# Altium PCB WX0.011.749PCB-4.2.PcbDoc (part 2 of 3)
Units mil, origin at the board's own origin, x right, y up, seen from the top; angles counter-clockwise.
Board outline 4498.23 x 1899.81 mil, 2 copper layers (Top Layer, Bottom Layer), stack 12.8 mil thick; 195 components, 148 nets, 684 pads, 621 vias.
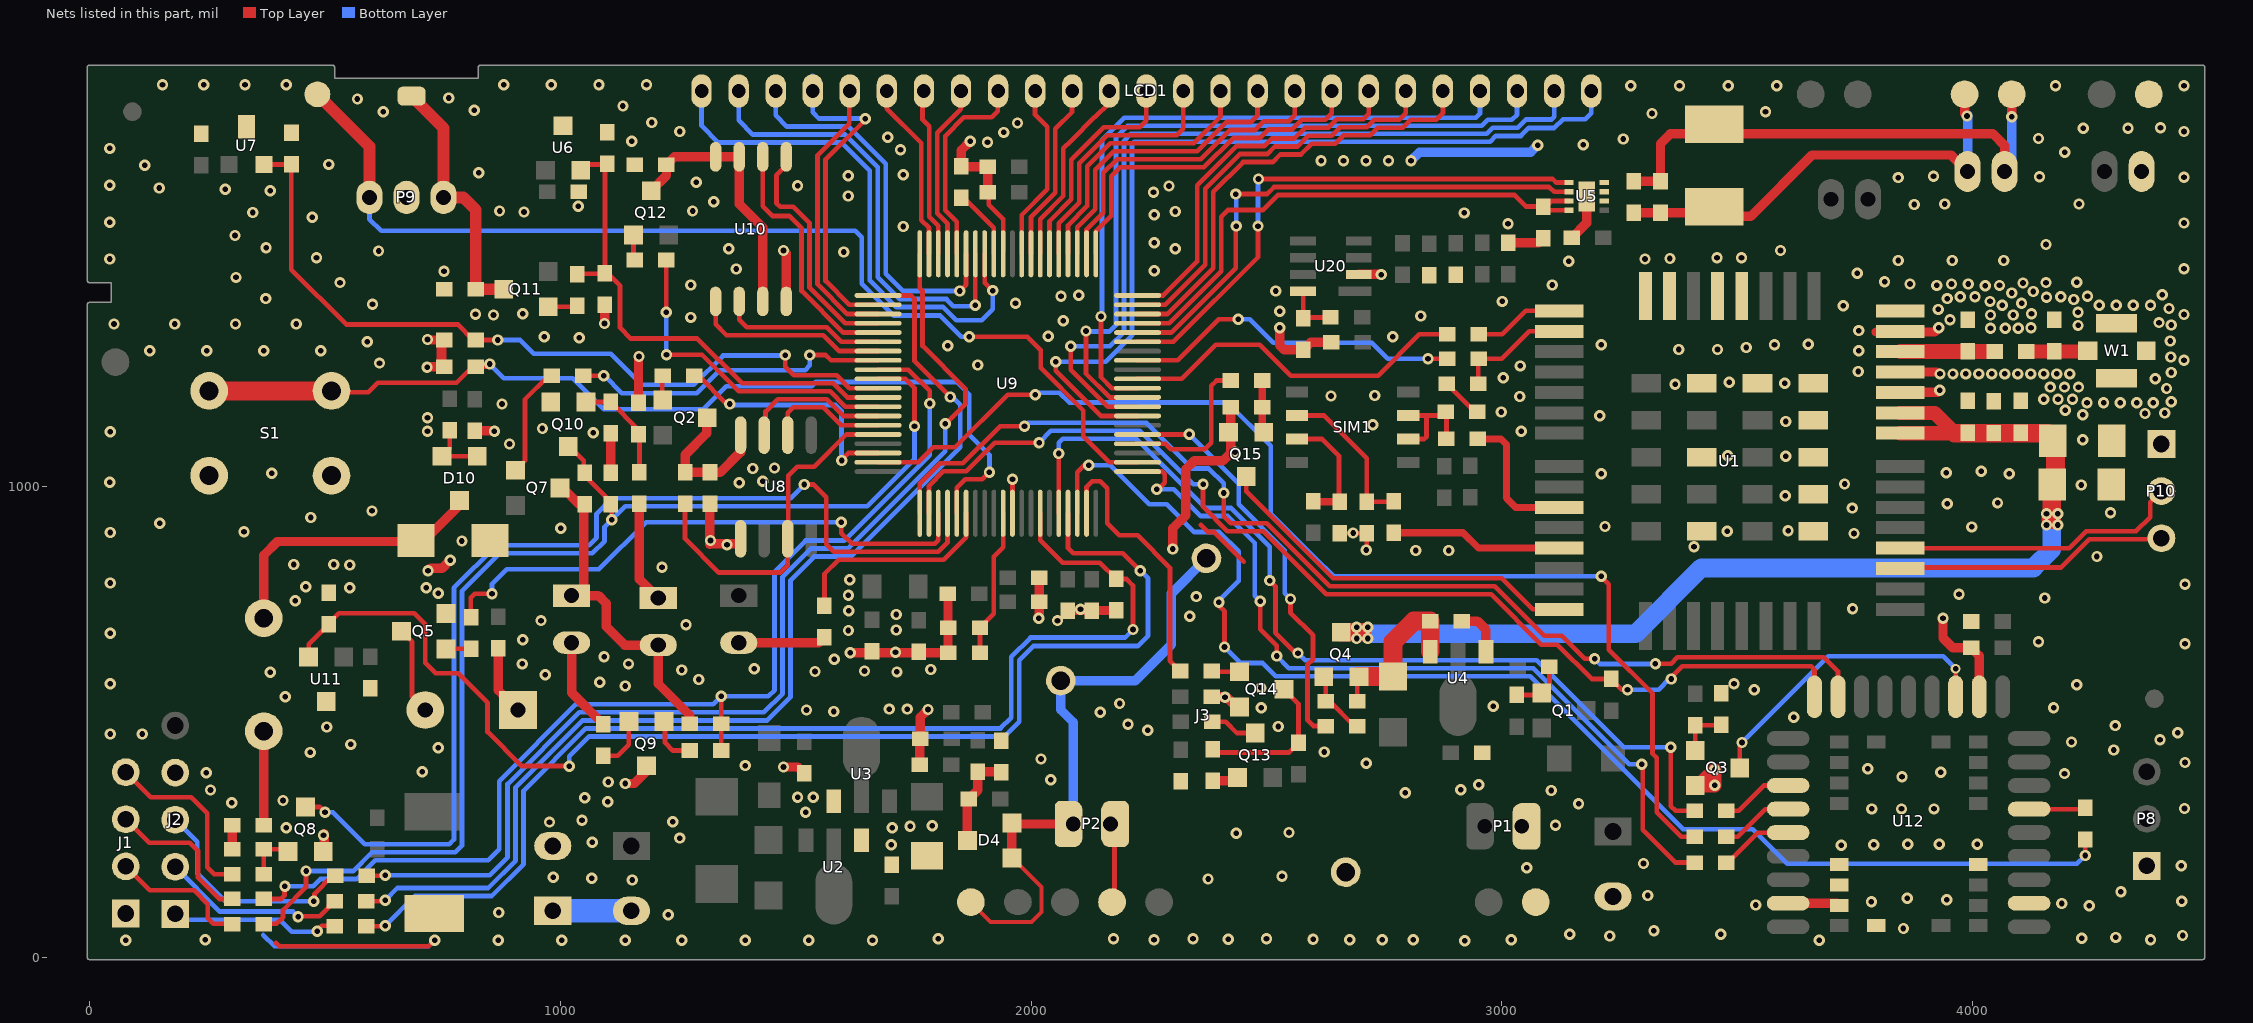
[diagram p2: the nets of this part, all layers, seen from the top]

## Via types
v1: diameter 24, hole 12, Top Layer to Bottom Layer, tented both sides, 618 vias
v2: diameter 21, hole 12, Top Layer to Bottom Layer, tented both sides, 3 vias

## Nets (pads, with @x,y where several pads share a name; then routed paths per layer and width w, separated by ;. In a path a pad name is that pad's centre, name@x,y a point inside that pad or via, vN(x,y) a via of type N, cw(c..) or ccw(c..) an arc to the next point about the centre after c; other vN are vias at no path point) (continued)
ADC_CTL: R14.1 U9.19 | length 586.1
  Top Layer w10: U9.19@2117.84,943 2117.84,999.32 2129.52,1011 2146.47,1011 2161.51,995.96 2161.51,922 2187.51,896 2226.3,896 2295,827.3 2295,630 R14.1@2317,608
B: C24.2 C25.2 P3.2 TP8.1 TVS1.1 U5.3 | length 1113.8
  Top Layer w20: C25.2@3280,1648.51 C24.2@3337,1648.51 3337,1728 3358,1749 4043,1749 4068,1724 P3.2@4068,1669 ; v1(4083,1785) 4083,1784 TP8.1@4083,1833
  Bottom Layer w20: P3.2@4068,1669 4083,1684 v1(4083,1785)
BUSY: R13.1 U9.21 | length 1765
  Top Layer w10: U9.21@2226.11,1031.58 2278.42,1031.58 2284,1026 2284,1008 2270,994 v1(2267,994) ; v1(2487,756) 2487,696.96 2522,661.96 v1(2522,639.77) ; v1@3299,410 3299,271 3369,201 R13.1@3410,201
  Bottom Layer w10: v1(2267,994) 2303.34,994 2360.34,937 2417.83,937 2475,879.83 2475,768 v1(2487,756) ; v1(2522,639.77) 2547.77,614 3067,614 3271,410 v1(3297,410)
BUZZ: R47.1 U9.3 | length 1206.7
  Top Layer w10: R47.1@810,722 810,764 818,772 v1(855,772) ; v1(1597,924) 1597,901 1620,878 1795.51,878 1802.88,885.37 U9.3@1802.88,943
  Bottom Layer w10: v1(855,772) 855,793 886,824 1082.12,824 1182.12,924 v1(1597,924)
CAP_CHK: C49.1 U9.17 U11.2 | length 2653.4
  Top Layer w10: U11.2@465.35,637.8 465.35,664.86 C49.1@508,707.51 508,709 529.4,730.4 689.6,730.4 713,707 713,625 735,603 783,603 845.5,540.5 845.5,478.5 918,406 v1@1019,406 ; U9.17@2078.47,943 2078.47,869 2089.47,858 2195,858 v1(2232,821)
  Bottom Layer w10: v1(1019,405.5) 1019,426.71 1061.29,469 1943.77,469 1975,500.23 1975,631.04 2004.96,661 2226.75,661 2248.5,682.75 2248.5,804.5 v1(2232,821)
CLOSE: U5.5 U9.35 | length 1157.9
  Top Layer w10: U9.35@2226.11,1307.17 2302.38,1307.17 2482,1486.79 v1(2482,1553) ; v1@2479,1556 v1@2482,1559 ; v1(2483,1653) 3108,1653 3115.47,1645.53 U5.5@3142.6,1645.53
  Bottom Layer w10: v1@2482,1559 2482,1652 v1(2483,1653)
COM0: LCD1.1 U9.53 | length 1132.9
  Top Layer w10: U9.53@1901.3,1494.18 1901.3,1432.2 v1@1916.51,1417
  Bottom Layer w10: LCD1.1@1300,1840 1300,1766 1335.49,1730.51 1598,1730.51 1657.51,1671 1657.51,1437.57 1714.08,1381 1813.07,1381 1841.07,1353 1894.76,1353 1918.51,1376.74 v1(1918.51,1416)
COM1: LCD1.2 U9.54 | length 975.4
  Top Layer w10: v1(1881.51,1385) 1881.62,1385.11 U9.54@1881.62,1494.18
  Bottom Layer w10: LCD1.2@1378.74,1840 1378.74,1778 1409.23,1747.51 1605.45,1747.51 1674.51,1678.45 1674.51,1444.62 1721.12,1398 1820.11,1398 1835.11,1383 1879.51,1383 v1(1881.51,1385)
COM2: LCD1.3 U9.55 | length 818.9
  Top Layer w10: v1(1848.36,1415) 1861.93,1428.57 U9.55@1861.93,1494.18
  Bottom Layer w10: LCD1.3@1457.48,1840 1457.48,1788.53 1481.5,1764.51 1612.49,1764.51 1691.51,1685.49 1691.51,1451.66 1728.17,1415 v1(1848.36,1415)
COM3: LCD1.4 U9.62 | length 708.9
  Top Layer w10: v1(1648,1781) 1646.86,1781 1648.43,1779.43 1563.51,1694.51 1563.51,1436.46 1614.05,1385.91 U9.62@1674.93,1385.91
  Bottom Layer w10: LCD1.4@1535.73,1840 LCD1.4@1535.73,1872 ; LCD1.4@1536.22,1840 1536.22,1794.78 1549.49,1781.51 1648,1781.51 v1(1648,1781)
DOUT: R12.1 U9.79 | length 2495.3
  Top Layer w10: U9.79@1674.93,1051.27 1760.78,1051.27 1792.51,1083 1838.38,1083 1950.38,1195 v1(2009,1195) ; v1@3210.5,808.5 3227,792 3227,653.25 3320,560.25 3320,432.25 3329,423.25 3329,308 3381,256 R12.1@3410,256
  Bottom Layer w10: v1(2009,1195) 2013,1199 2060.25,1199 2081,1178.26 2416.74,1178.26 2509,1086 2509,942 2623,828 2623.7,828 2642.7,809 v1(3211,809)
ESAM_CLK: U8.6 U9.75 | length 267.6
  Top Layer w10: U8.6@1483,1109 1483,1156 1495,1168 1558.83,1168 1596.83,1130.01 U9.75@1674.93,1130.01 ; U8.6@1486,1101 U8.6@1486,1109
ESAM_POW: R44.1 U9.78 | length 536.6
  Top Layer w10: R44.1@1285,1235 1294,1235 1354,1175 v1(1360,1175) ; v1(1597.51,1055) 1595.51,1055 1611.46,1070.95 U9.78@1674.93,1070.95
  Bottom Layer w10: v1(1360,1175) 1362,1173 1584.51,1173 1597.51,1160 v1(1597.51,1055)
ESAM_RST: U8.7 U9.74 | length 322.3
  Top Layer w10: U8.7@1436,1101 1436,1159 1462,1185 1565.87,1185 1601.18,1149.69 U9.74@1674.93,1149.69
ESAM_SDA: R45.2 U8.3 U9.76 | length 746
  Top Layer w10: R45.2@1265,963 1265,889 1337,817 1467,817 1483,833 U8.3@1483,889 1484,890 1484,1023 1503,1042 1539,1042 1607.32,1110.32 U9.76@1674.93,1110.32
FLASH_CLK: U9.65 U10.6 | length 539.1
  Top Layer w10: U10.6@1430,1700.09 1430,1595 1450.52,1574.48 1486.48,1574.48 1512.51,1548.45 1512.51,1415.33 1600.98,1326.86 U9.65@1674.93,1326.86
FLASH_CS: U9.67 U10.1 | length 417.3
  Top Layer w10: U10.1@1330,1393 1330,1344 1353,1321 1558.76,1321 1592.27,1287.49 U9.67@1674.93,1287.49
FLASH_CTL: R49.1 U9.73 | length 702.9
  Top Layer w10: v1@1222,1281 1223,1280 1300.96,1280 1378.96,1202 1572.92,1202 1605.54,1169.38 U9.73@1674.93,1169.38 ; v1(1225,1370) R49.1@1225,1481 R49.1@1225,1483
  Bottom Layer w10: v1(1225,1370) 1225,1280 v1(1225.5,1279.5)
FLASH_MISO: U9.66 U10.2 | length 353.3
  Top Layer w10: U10.2@1380,1393 1380,1354 1396,1338 1565.8,1338 1596.63,1307.17 U9.66@1674.93,1307.17
FLASH_MOSI: U9.64 U10.5 | length 508.8
  Top Layer w10: U10.5@1480,1700.09 1480,1682 1459,1661 1459,1602 1467,1594 1495,1594 1529.51,1559.49 1529.51,1422.37 1605.34,1346.54 U9.64@1674.93,1346.54
GD_PWR: C45.1 P9.3 Q11.3 TP19.1 | length 549.6
  Top Layer w25: TP19.1@684,1829 752,1761 P9.3@752,1614 794,1614 820.49,1587.51 C45.1@820.49,1419 Q11.3@879,1419
GND: C1.1 C2.1 C3.2 C5.2 C7.2 C8.2 C9.2 C10.2 C13.2 C14.2 C15.2 C16.2 C17.2 C18.1 C19.2 C20.2 C21.2 C22.1 C23.1 C26.2 C27.2 C28.2 C29.2 C30.2 C31.2 C32.2 C33.1 C34.2 C35.2 C36.2 C37.2 C38.2 C39.2 C41.1 C42.2 C43.1 C44.2 C45.2 C46.2 C47.2 C48.2 C49.2 C50.2 C51.1 C52.2 C53.1 C54.1 C55.2 C56.2 C59.2 C60.2 C61.1 C62.1 C63.1 C64.1 C65.2 C66.2 FB2.1 J1.1 J2.4 J3.2 P1.2 P2.2 P7.2 P8.1 P9.2 P10.1 Q3.2 Q5.2 Q8.2 Q9.3 Q10.2 Q14.2 Q15.2 R38.1 R41.1 R48.2 R56.2 R58.1 R61.2 R96.1 S1.2 S2.2 TP5.1 TP6.1 TP12.1 TVS2.1 U1.26 U1.27 U1.29 U1.30 U1.42 U1.43 U1.45 U1.46 U1.48 U1.49 U1.50 U1.54 U1.56 U1.58 U1.62 U1.64 U1.66 U2.1 U3.1 U4.1 U5.4 U5.9 U6.3 U7.3 U8.1 U9.11 U9.51 U10.4 U11.3 U12.2@4119.84,114.57 U12.11@4013.94,553.15 U12.26@3608.03,114.57 U12.29 U12.30 U12.31 U12.33 U12.38 U20.2 W1.2 | length 5195.1
  Top Layer w10: 396,30 396.55,30 403.55,23 720,23 v1(733,36) ; C5.2@1763.49,463 C5.2@1764.49,464 ; C60.2@1910,1672 1910,1598.67 1940.67,1568 U9.51@1940.67,1500.18 ; U9.11@1960.36,943 1960.51,943.15 v1(1960.51,1015) ; TP6.1@2177,122 P2.2@2177,283 ; 2361,918 2376,903 2388.7,903 2452,839.7 ; C19.2@2656,900.49 C20.2@2713,900.49 v1@2713,867 ; R61.2@2883,1218 2942,1159 C21.2@2947.51,1159 C21.2@2949.51,1159
  Top Layer w20: R38.1@303,226.25 R38.1@303,229.25 FB2.1@303,280 ; Q8.2@498.4,224.76 v1@498.4,262.4 ; v1@717,1254 746.49,1254 746.49,1311 v1@718,1311 ; v1(719,821) 724.5,826.5 749.5,826.5 v1(766,843) ; C31.2@748.49,1254 C56.2@748.49,1311 ; C8.2@818,1118.49 v1@858.51,1118.49 ; v1(1094,1346) C50.2@1094,1385.49 ; C32.2@1107,1109.49 1107,1034.51 C26.2@1110,1031.51 ; v1(1138,369) 1157,369 1183,395 Q9.3@1183,406.51 ; R41.1@1166,1178 v1@1166,1278 ; R41.1@1168,1175 R41.1@1168,1178 ; C34.2@1318,963.49 1317,962.49 1317,877 v1@1318,878 ; v1(1319,885) 1319,879 v1@1318,878 ; U8.1@1384,881 1381,878 v1@1318,878 ; v1(1474,404) 1504.51,404 1518.51,390 C3.2@1519,390.49 ; v1(1474,1501) 1480,1495 U10.4@1480,1393 ; v1(1616,647) C53.1@1824.51,647 C53.1@1826,647 ; C55.2@1763.49,409 C5.2@1763.49,463 ; C5.2@1764.49,464 1764.49,509.49 v1(1781,526) ; C53.1@1823.49,649 C10.2@1823.49,771 ; v1(1870.51,1733) 1851.51,1714 C65.2@1851.51,1680.51 1853.02,1679 C60.2@1908,1679 C59.2@1908,1625 ; v1@2017.49,721 C62.1@2017.49,755 C63.1@2017.49,806 C63.1@2017.49,807 ; C39.2@2077.84,736.51 C43.1@2180.51,736.51 ; v1(2301,867) 2301,911 2328.39,938.39 2328.39,1036.39 2346.24,1054.24 2407.24,1054.24 2424,1071 R58.1@2424,1168 ; C51.1@2382,553 C51.1@2383.49,553 2414.86,553 Q14.2@2435.26,532.6 ; v1(2528,1337) 2528,1300 2538,1290 R96.1@2578,1290 2594,1306 C64.1@2637.51,1306 ; U20.2@2695.97,1450.28 v1@2741.72,1450.28 ; C52.2@2915,714 2948,714 2966.05,695.95 U4.1@2966.05,649.17 ; C33.1@3014,1517.49 3077.98,1517.49 C22.1@3088,1527.51 ; C23.1@3148.51,1528 3180,1559.49 U5.9@3180,1616 ; U12.26@3608.03,114.57 3711.97,114.57 U12.31@3716.3,110.24 ; 3795,1328 3919,1328 v1(3928,1337) ; U1.26@3846.2,1199.67 3925.67,1199.67 v1(3930,1204) ; U1.27@3846.2,1242.98 v1@3924.02,1242.98 ; v1(3937,720) 3937,678 3958,657 C15.2@3997,657 4013.94,640.06 U12.11@4013.94,553.15
  Top Layer w30: Q3.2@3410.76,364.6 v1@3451.6,364.6 ; Q3.2@3428.67,374.67 v1(3452,398) v1(3452,365)
  Bottom Layer w10: 369,47 393,23 720,23 v1(733,36)
  Bottom Layer w20: v1(2807,1692) 2825,1710 3061,1710 v1(3076,1725)
  other v1: 2921,35 77,36 868,36 1003,36 1138,36 1258,36 1393,36 1528,36 1663,36 3674,36 246,37 2261,37 2677,37 2746,37 2812,37 3020,37 4378,37 2419,38 2599,38 1803,39 2175,39 2344,39 2500,39 4232,40 4304,42 3229,45 4446,46 3144,49 3465,49 3323,56 3853,61 1229,90 869,95 4248,109 3539,111 4189,114 3785,118 4444,119 3945,122 3861,125 3310,131 4315,139 1153,164 2376,166 1067,168 985,170 2533,172 3053,190 4443,194 3301,199 3721,238 1703,239 3790,239 3862,240 3929,240 4010,240 1068,244 1254,253 497,259 2436,263 2548,265 418,275 1705,275 1743,278 1790,279 3114,280 977,287 1239,288 1046,291 1521,308 3786,315 3849,315 3918,315 4450,316 3163,326 302,328 1101,330 411,333 1052,339 1504,340 1537,340 2795,349 3105,354 257,355 2913,356 2951,366 1102,372 2042,377 3850,383 4195,390 248,392 3932,393 707,394 3777,400 1393,407 2712,412 4451,413.5 2021,421 469,435 2623,436 4300,440 741,445 555,452 4210,457 4398,462 44,474 112,474 4436,477 2248,482 504,489 2525,490 4303,492 2206,495 3620,510 2147,520 1581,522 1523,525 1699,527 1737,527 2489,530 4172,530 2982,533 2188,539 2412,552 416,553 3536,568 2488,572 1138,576 4221,579 44,581 3493,581 1084,584 1294,590 968,600 384,605 1715,606 1541,607 1646,608 1258,610 1787,611 1412,613 919,623 1145,623 1582,633 1093,638 1712,648 4451,666 4140,670 920,674 44,688 1612,694 1713.51,695 1267,706 959,715 2056,715 2016,720 2337,724 1713.51,728 1613,736 2105,739 3745,740 437,757 4153,763 2351,766 1612,769 3971,771 741,773 553,785 715,785 459,787 4451,792.25 44,795 1615,802 1216,828 553,833 434,834 519,834 4264,851 2817,864 2887,864 2712,865 3408,872 1354,876 791,884 3748,900 2684,901 44,902 328,904 3479,905 3608,906 1001,911 3998,914 3219,915 149,922 470,934 4293,944 600,948 3744,954 3946,963 4053,965 3602,980 4231,1003 3728,1005 1380,1008 43,1009 1430,1011 3211,1027 4078,1027 387,1028 3944,1029 4018,1032 1409,1038 1455,1039 3603,1064 3480,1065 2433,1073 892,1090 4234,1099 1070,1114 44,1116 718,1117 860,1117 3041,1117 962,1123 2726,1131 3603,1138 718,1146 3208,1150 4234,1152 4366,1155 4408,1156 2999,1158 4197,1162 876,1175 4243,1178 4278.17,1178 4313.33,1178 4348.5,1178 4383.67,1178 4422,1180 4151,1185 4181.5,1185 4212,1185 3038,1191 2637,1192 2730,1193 4412,1208 4165,1211 4195,1211 4225,1211 3368,1217 3601,1219 3483,1221 4388,1229 3003,1231 3930.57,1239 3958.11,1239 3985.65,1239 4013.2,1239 4040.74,1239 4068.28,1239 4095.83,1239 4123.37,1239 4150.91,1239 4178.46,1239 4206,1239 4422,1242 3757,1244 717,1253 3039,1256 1887,1258 616,1262 4449,1268.14 4421,1275 1167,1276 128,1288 249,1288 370,1288 491,1288 3758,1288 3376,1291 3458,1291 3519,1295 1823,1299 3211,1301 3579,1301 3651,1302 590,1307 4420,1309 718,1312 1040,1316 966,1318 2768,1318 2036.51,1319 3758,1331 4038,1336 4069,1336 4097,1336 4124,1337 4224,1342 4422,1343 52,1345 181,1345 310,1345 439,1345 4396,1348 2068.51,1352 3952,1354 1277,1359 2828,1362 858,1364 4038,1364 4086,1364 820,1366 4449,1365.29 920,1367 4125,1367 4223.81,1370 2528,1372 3927,1376 4417,1378 3725,1384 4063,1385 4269,1385 4305.25,1385 4341.5,1385 4377.75,1385 601,1387 1967,1389 4104,1389 3001,1393 4037,1393 4215,1397 374,1399 3946,1399 4157,1402 3974,1403 4005,1403 4187,1403 2063.51,1404 4244,1404 2101.51,1406 4403,1407 4083,1411 4129,1414 2520,1415 4027,1426 3924,1427 4057,1427 1277,1428 3107,1428 3867,1430 3955,1430 3991,1430 4107,1432 532,1433 4156,1433 4221,1434 3813,1435 311,1444 2744,1450 3755,1453 753,1457 2261.51,1458 1374,1462 4449,1462.43 3142,1478 3842,1480 3957,1480 4066,1480 43,1483 3304,1483 3357,1484 482,1486 3457,1486 3509,1486 1602,1498 614,1500 3592,1501 1358,1505 2306,1505 375,1507 4156,1514 2261.51,1517.67 309,1533 1728.51,1552 3013,1558 4449,1559.57 43,1561.33 473,1572 2261.51,1577.33 2920,1581 347,1582 923,1583 2306,1584 871,1585 1281,1585 1038,1595 3876,1599 3941,1600 4226,1600 1326,1605 1611.51,1617 2260,1625 384,1628 288,1631 148,1634 2293,1638 1504,1639 43,1639.67 1289,1646 3842,1656 4449,1656.71 4142,1658 3917,1659 1611.51,1660 1728.51,1662 827,1666 117,1682 508,1684 2616,1692 2663.75,1692 2711.5,1692 2759.25,1692 4196,1710 1722.51,1715 43,1718 3173,1726 1907.51,1731 1152,1733 3258,1738 4140,1739 1695.51,1742 1942,1752 1254,1754 4449,1753.86 4235,1761 4330,1761 4399,1762 1971,1772 1194,1773 3319,1792 624,1796 3560,1796 817,1799 1133,1808 569,1823 763,1825 3274,1851 3377.33,1851 3480.67,1851 3584,1851 4176,1851 4449,1851 155,1853 242.67,1853 330.33,1853 418,1853 880,1853 981,1853 1082,1853 1183,1853
GPRS_3.6V: C9.1 C16.1 C17.1 C18.2 C37.1 Q4.3 U1.24 U1.25 | length 2273.2
  Top Layer w30: U1.24@3846.2,1113.05 3961.94,1113.05 3918.64,1156.36 U1.25@3846.2,1156.36 ; 4166.3,930.7 4169,928 ; 4169.3,924.7 4169.3,930.7
  Top Layer w40: Q4.3@2659,690.24 2701.76,690.24 ; 3961.94,1113.05 4160.25,1113.05 4176.3,1097 4176.3,1005 4168,996.7 4168,932.39 4166.3,930.7
  Bottom Layer w40: v1@2715.43,687 3284,687 3424,827 4129,827 4168,866 v1@4168,919
  other v1: 2691.43,677 2715.43,677 2691.43,701 2715.43,701 4157,918 4181,918 4157,942 4181,942
GPRS_POWER: R18.1 U9.25 | length 879.7
  Top Layer w10: U9.25@2226.11,1110.32 2335.32,1110.32 v1(2336,1111) ; v1(2551,761) 2551,732 2599,684 2599,632.75 2587,620.75 2587,504 2600,491 R18.1@2626,491
  Bottom Layer w10: v1(2336,1111) 2441,1006 2441,961.92 2539,863.92 2539,773 v1(2551,761) v1@2554,764
GPRS_RST: R57.1 U9.24 | length 334.1
  Top Layer w10: U9.24@2226.11,1090.64 2285.36,1090.64 2297,1079 2369,1079 2383,1093 2383,1214 2394,1225 R57.1@2424,1225
HALL1_INTP6: C29.1 C56.1 U7.2 U9.71 | length 1698.5
  Top Layer w10: U7.2@371,1684 428.49,1684 428.49,1460.51 545,1344 782.49,1344 815.49,1311 C56.1@820.49,1311 v1(867,1311) ; v1(1478,1279) 1478,1254 1496,1236 1587,1236 1614.25,1208.75 U9.71@1674.93,1208.75
  Bottom Layer w10: v1(867,1311) 915,1311 944,1282 1107,1282 1173,1216 1283.62,1216 1345.62,1278 1477,1278 v1(1478,1279)
HALL2_INTP7: C30.1 C50.1 R3.1 U6.2 U9.72 | length 1095.6
  Top Layer w10: R3.1@1036,1449 1038.49,1451.49 C50.1@1095,1451.49 ; U6.2@1044,1684 C30.1@1101.49,1684 ; C50.1@1094,1452.49 C50.1@1095,1451.49 ; C30.1@1102,1684.51 C30.1@1101.49,1684 ; U9.72@1674.93,1189.06 1609.9,1189.06 1579.96,1219 1386,1219 1291,1314 1150,1314 1127,1337 1127,1426 1101.51,1451.49 C50.1@1095,1451.49 ; C50.1@1095,1451.49 1095,1677.51 C30.1@1101.49,1684
IN1: D10.3 P5.1 TVS2.2 | length 604.9
  Top Layer w20: P5.1@370,720 370,854 399,883 709,883 789,963 D10.3@789,969.76
IN2: FB2.2 P5.2 | length 200
  Top Layer w10: FB2.2@370,280 FB2.2@370,286
  Top Layer w20: FB2.2@370,286 P5.2@370,480
IRDA_CTL: R27.1 U9.68 | length 694.6
  Top Layer w10: R27.1@1049,1235 v1(1092,1235) v1@1094,1235 ; v1(1530,1279) 1563.8,1279 1575,1267.8 U9.68@1674.93,1267.8
  Bottom Layer w10: v1(1092,1235) 1094,1235 1131,1198 1290.04,1198 1294,1201.96 1294,1202.34 1338.66,1247 1520,1247 1530,1257 v1(1530,1279)
IRDA_POW: D5.1 D6.2 Q7.3 R29.1 R34.2 | length 707.2
  Top Layer w20: Q7.3@999.24,997 1005,997 1040,962 1050,962 D5.1@1050,773 ; D5.1@1024,768 1081,768 1097.5,751.5 1097.5,702.5 1137,663 D6.2@1208,663 1208,581 1275,514 R34.2@1275,496 ; D6.2@1209,663 D6.2@1211,663
IRDA_RXD1: C26.1 Q10.3 R29.2 R37.2 U9.70 | length 2579.8
  Top Layer w10: R37.2@370,71 397,71 411,85 411,100.25 460,149.25 v1(460,183) ; Q10.3@1017,1084.76 1020.24,1084.76 1050,1055 R29.2@1050,1029 ; R29.2@1052,1022.51 1110,964.51 1109,963.51 v1(1109,929) ; U9.70@1674.93,1228.43 1733.03,1228.43 1752.51,1208.96 v1(1752.51,1128)
  Bottom Layer w10: v1(460,183) 560,183 600,223 777,223 791,237 791,777.3 871.7,858 1068.04,858 1094,883.96 1094,914 v1(1109,929) 1138,958 1652.21,958 1752.51,1058.3 v1(1752.51,1128)
IRDA_TXD1: R34.1 R36.2 R40.1 U9.69 | length 2428.1
  Top Layer w10: R36.2@370,123.75 406.75,123.75 414,131 v1@414,151 ; R40.1@1342,439 R34.1@1342,496 v1(1342,554) ; U9.69@1674.93,1248.12 1739.39,1248.12 1784.51,1203 v1(1784.51,1176)
  Bottom Layer w10: v1(415,151) 475,151 490,166 567.04,166 607.04,206 847,206 870,229 870,373.88 1033.12,537 1325,537 v1(1342,554) 1442,554 1455,567 1455,819 1521,885 1603.25,885 1784.51,1066.25 v1(1784.51,1176)
KEY_INTP0: C31.1 S1.1 U9.5 | length 2029.2
  Top Layer w10: S1.1@514,1203 521,1203 524,1200 592,1200 612,1220 779.49,1220 813.49,1254 C31.1@820.49,1254 v1@846,1254 ; U9.5@1842.25,943 1842.25,997 1860.25,1015 1896.51,1015 v1(1911.51,1030)
  Top Layer w40: S1.1@254,1203 S1.1@514,1203
  Bottom Layer w10: v1(850,1260) 880,1230 1025.96,1230 1091.96,1164 1304.12,1164 1328,1187.87 1328,1188.25 1352.74,1213 1534.08,1213 1543.08,1222 1841.76,1222 1868.51,1195.25 1868.51,1109.96 1911.51,1066.96 v1(1911.51,1030)
LED: R7.1 U9.6 | length 451.3
  Top Layer w10: R7.1@1561,747 1561,814 1591,844 1814,844 1861.93,891.93 U9.6@1861.93,943
MCU_RXD0: R59.1 U9.31 | length 742.8
  Top Layer w10: U9.31@2226.11,1228.43 2319.81,1228.43 2392.37,1301 2486,1301 2552,1235 2737,1235 2825,1323 2868,1323 R59.1@2873,1328
MCU_TXD0: R60.1 U9.33 | length 727.8
  Top Layer w10: U9.33@2226.11,1267.8 2311.09,1267.8 2398.29,1355 v1(2440,1355) ; v1@2844,1271 R60.1@2884,1271
  Bottom Layer w10: v1(2440,1355) 2464.74,1355 2514.74,1305 2724,1305 2758,1271 v1(2843,1271)
NetB1_1: B1.1 R42.1 | length 147.4
  Top Layer w20: R42.1@868,655 868,567 B1.1@910,525
NetB1_2: B1.2 Q5.3 | length 188.3
  Top Layer w10: Q5.3@662.76,692.4 685,670.16 685,553.15 B1.2@713.15,525
NetC1_2: C1.2 R2.2 U1.28 | length 200.4
  Top Layer w32: U1.28@3846.61,1286.69 R2.2@4047.02,1286.69
NetC2_2: C2.2 R2.1 W1.1 | length 129.2
  Top Layer w30: R2.1@4114.02,1286.69 W1.1@4243.26,1286.69
NetC6_2: C6.2 C44.1 | length 169
  Bottom Layer w50: C44.1@984,98.43 C6.2@1153,98.43
NetC32_1: C32.1 Q10.1 R39.1 R41.2 | length 209.1
  Top Layer w10: Q10.1@1054.4,1179.24 1105.25,1179.24 C32.1@1106,1178.49 ; C32.1@1107,1179.49 1167,1119.49 R41.2@1167,1111 ; R41.2@1166,1110 R41.2@1168,1108 ; R39.1@1168,1030 1168,1091
NetC34_1: C34.1 Q2.3 R45.1 U8.8 | length 307
  Top Layer w20: Q2.3@1311.24,1146 1311.24,1113.24 1265,1067 R45.1@1265,1030 1340,1030 1383,1073 U8.8@1383,1109
NetC36_1: C36.1 Q12.3 U10.3 U10.7 U10.8 | length 557.6
  Top Layer w20: Q12.3@1193,1628.24 1225.49,1660.73 C36.1@1225.49,1683 1242.58,1700.09 U10.8@1330,1700.09 U10.7@1380,1700.09 1380,1600 1430,1550 U10.3@1430,1393
NetC52_1: C52.1 Q4.2 R16.2 R50.2 U4.3 | length 358.3
  Top Layer w10: R16.2@2693,545 Q4.2@2693,593.35
  Top Layer w40: Q4.2@2695,596.11 R50.2@2769,596.11 2769,670 2813,714 C52.1@2847.94,714 ; U4.3@2847.94,649.17 C52.1@2847.94,714 ; C52.1@2848,714 C52.1@2847.94,714
NetC53_2: C53.2 C61.2 U9.10 | length 313.7
  Top Layer w10: C53.2@1891.51,647 C61.2@1891.51,700 ; C61.2@1893,702 1920.99,729.99 1920.99,850.95 1940.67,870.63 U9.10@1940.67,943
NetC65_1: C65.1 U9.52 | length 149.3
  Top Layer w10: C65.1@1853.51,1613.51 1857,1613.51 1920.99,1549.52 U9.52@1920.99,1494.18
NetC66_1: C66.1 D4.3 R98.1 R100.1 | length 206.8
  Top Layer w10: D4.3@1866.76,247 D4.3@1866.76,248
  Top Layer w20: D4.3@1864.76,248 1864.76,332.76 R98.1@1868,336 1887,355 R100.1@1887,394 1935.51,394 C66.1@1937,392.51
NetD4_1: D4.1 D4.2 J3.1 P2.1 TP7.1 | length 1322.4
  Top Layer w8: TP7.1@1872,117 1914,75 2001,75 2022,96 2022,148.84 D4.1@1960.24,210.6
  Top Layer w10: TP7.1@1872,117 TP7.1@1872,123.35
  Top Layer w20: D4.2@1959,282.16 1959,211.84 D4.1@1960.24,210.6 ; D4.2@1959.24,285.4 1961.65,283 P2.1@2074,283 P2.1@2089.63,283
  Bottom Layer w20: P2.1@2089.63,283 2089.63,499 2063.05,525.57 J3.1@2063.05,587.59 2221.59,587.59 2298,664 2298,772.75 J3.1@2372.49,847.24
NetD5_2: D5.2 R35.2 | length 200.8
  Top Layer w20: D5.2@1024,668 1024,562 R35.2@1091,495
NetD6_1: D6.1 R39.2 | length 216.6
  Top Layer w20: R39.2@1168,963 1168,803 D6.1@1208,763
NetD7_2: D7.2 R7.2 | length 187
  Top Layer w20: D7.2@1379,668 1549,668 R7.2@1561,680
NetD10_1: D10.1 D10.2 FB1.2 | length 130.4
  Top Layer w10: D10.2@748.6,1064.24 765,1080.65 FB1.2@765,1116 ; D10.2@753.6,1057.24 D10.2@757,1057.24 ; D10.2@757,1064.24 D10.1@823.4,1064.24 ; D10.1@826.4,1057.24 D10.1@828.4,1057.24
NetJ1_2: J1.2 R37.1 | length 294.1
  Top Layer w10: J1.2@77,193 128,142 221.96,142 251,112.96 251,83 263,71 R37.1@303,71
NetJ1_3: J1.3 R36.1 | length 329.5
  Top Layer w10: J1.3@77,293 127,243 213,243 230.5,225.5 230.5,168.5 275.25,123.75 R36.1@303,123.75
NetJ1_4: J1.4 R31.1 | length 383
  Top Layer w10: J1.4@77,393 130,340 216,340 250,306 250,191 264.5,176.5 R31.1@303,176.5
NetJ2_1: J2.1 R1.2 | length 366
  Top Layer w10: v1(484,55) 484,58 493,67 511,67 R1.2@521,57
  Bottom Layer w10: J2.1@182,92 194.74,79.25 404.49,79.25 429.74,54 483,54 v1(484,55)
NetJ2_2: J2.2 R21.2 | length 395.3
  Top Layer w10: v1(443,86) 444,87 489.25,87 508,105.74 508,110 R21.2@521,110
  Bottom Layer w10: J2.2@182,192 277,97 432,97 v1(443,86)
NetJ2_3: J2.3 R8.1 | length 481.5
  Top Layer w10: v1(476,119) 478,121 478,135 516,173 R8.1@522,173
  Bottom Layer w10: J2.3@182,292 229,245 229,178 288,119 v1(476,119)
NetP10_2: P10.2 U1.19 | length 623.1
  Top Layer w10: U1.19@3846.2,868.96 4204.92,868.96 4240.96,905 4347,905 4377,935 4377,966 P10.2@4401,990
NetP10_3: P10.3 U1.18 | length 576.6
  Top Layer w10: U1.18@3846.2,825.65 3848.55,828 4188,828 4248,888 P10.3@4397,888
NetQ1_1: Q1.1 R15.2 R17.2 | length 116.9
  Top Layer w10: R15.2@3032,557 3080.35,557 Q1.1@3084.76,561.4 3101,577.64 R17.2@3101,617
NetQ2_1: Q2.1 R44.2 | length 54.1
  Top Layer w10: Q2.1@1216.76,1183.4 1216.76,1235.76 R44.2@1218,1237
NetQ3_1: Q3.1 R33.2 R48.1 | length 109.1
  Top Layer w10: Q3.1@3410.76,439.4 3411,439.64 R33.2@3411,493 3465,493 R48.1@3466,494
NetQ3_3: Q3.3 U12.12@3963.94,553.15 | length 657.6
  Top Layer w10: Q3.3@3505.24,402 3505.24,451.24 v1(3510,456) ; U12.12@3963.94,553.15 v2(3963.94,612.83)
  Bottom Layer w10: v1@3509,456 v1(3510,456) 3693.43,639.43 3937.33,639.43 v2(3963.94,612.83)
NetQ4_1: Q4.1 R16.1 R18.2 | length 141.9
  Top Layer w10: Q4.1@2621.6,595.76 2626,591.35 2626,545 2633,545 2687,491 R18.2@2693,491
NetQ5_1: Q5.1 R47.2 | length 53.8
  Top Layer w10: Q5.1@757.24,655 R47.2@811,655
NetQ7_1: Q7.1 R27.2 | length 236.7
  Top Layer w10: Q7.1@904.76,1034.4 925,1054.64 925,1185 975,1235 R27.2@982,1235
NetQ8_1: Q8.1 R31.2 R38.2 | length 113.4
  Top Layer w10: R31.2@370,176.5 R38.2@370,229.25 417.1,229.25 Q8.1@421.6,224.76 ; Q8.1@421.6,223.76 425.6,223.76 Q8.1@423.34,221.5
NetQ9_1: Q9.1 R40.2 | length 115.1
  Top Layer w10: Q9.1@1222.4,511.24 1222.4,455.6 1239,439 R40.2@1275,439
NetQ9_2: Q9.2 R35.1 | length 113.8
  Top Layer w10: R35.1@1091,428 1122,428 1145.6,451.6 Q9.2@1145.6,501
NetQ11_1: Q11.1 R3.2 | length 62.8
  Top Layer w10: Q11.1@974.24,1381.6 1033.6,1381.6 R3.2@1036,1384
NetQ12_1: Q12.1 R49.2 | length 53.7
  Top Layer w10: Q12.1@1155.6,1533.76 1155.6,1485.4 R49.2@1158,1483 ; R49.2@1169.6,1485.76 R49.2@1171,1484.35
NetQ13_1: Q13.1 R55.2 | length 56.6
  Top Layer w20: R55.2@2387,375 2429.84,375 Q13.1@2439.6,384.76
NetQ13_3: Q13.3 R9.1 | length 100.8
  Top Layer w10: R9.1@2385,500 2413,500 2436.76,476.24 Q13.3@2476,476.24
NetQ14_1: Q14.1 R14.2 | length 59.2
  Top Layer w10: R14.2@2384,608 2385.6,606.4 Q14.1@2442.51,606.4
NetQ14_3: Q14.3 R10.1 R55.1 | length 318
  Top Layer w10: R55.1@2387,435 2548,435 R10.1@2570,457 ; Q14.3@2537,569 2568,538 R10.1@2568,456
NetQ15_1: Q15.1 R57.2 R58.2 | length 101.4
  Top Layer w15: Q15.1@2491,1123.65 R58.2@2491,1168 R57.2@2491,1225
NetR11_2: R11.2 U12.21@3608.03,364.57 | length 153.2
  Top Layer w10: R11.2@3477,311 3503,311 3556.57,364.57 U12.21@3608.03,364.57
NetR12_2: R12.2 U12.22@3608.03,314.57 | length 155.3
  Top Layer w10: R12.2@3477,256 3501,256 3559.57,314.57 U12.22@3608.03,314.57
NetR13_2: R13.2 U12.23@3608.03,264.57 | length 157.4
  Top Layer w10: R13.2@3477,201 3480,201 3543.57,264.57 U12.23@3608.03,264.57
NetR19_1: R19.1 U12.6@4119.84,314.57 | length 119.2
  Top Layer w10: U12.6@4119.84,314.57 R19.1@4239,314.57
NetR59_2: R59.2 U1.1 | length 191.5
  Top Layer w10: R59.2@2951,1323 3001,1323 3050.9,1372.9 U1.1@3121.79,1372.9
NetR60_2: R60.2 R61.1 U1.2 | length 251.1
  Top Layer w10: R61.1@2950,1218 R60.2@2950,1274 ; R60.2@2951,1271 3000,1271 3058.59,1329.59 U1.2@3121.79,1329.59
NetR96_2: R96.2 R97.1 U20.8 | length 112.3
  Top Layer w10: U20.8@2577.86,1414.84 2577.86,1361.86 2580.72,1359 R97.1@2636,1359
OPEN: U5.6 U9.36 | length 1144.5
  Top Layer w10: U9.36@2226.11,1326.86 2298.02,1326.86 2435,1463.83 2435,1552 v1(2436,1553) ; v1@2433,1556 v1@2436,1559 ; v1(2435,1621) 2501,1621 2516,1636 3100.96,1636 3111.12,1625.84 U5.6@3142.6,1625.84
  Bottom Layer w10: v1@2436,1559 v1@2436,1626
PWR: R11.1 U9.16 | length 2005
  Top Layer w10: U9.16@2058.78,943 v1(2058.78,1069.78) ; v1(2507,800) 2519,788 2519,689 2562,646 v1(2567,646) ; v1(3359,446) 3359,321 3369,311 R11.1@3410,311
  Bottom Layer w10: v1(2058.78,1069.78) 2058.78,1092.78 2067,1101 2223.74,1101 2370.74,954 2424.87,954 2507,871.87 v1(2507,800) ; v1(2567,646) 2582,631 3074.04,631 3259.04,446 v1(3359,446)
PWR_CTL: R19.2 U9.18 | length 2798.4
  Top Layer w10: U9.18@2098.15,943 2098.15,1030.15 2113,1045 v1(2122.47,1045) ; v1(2399,754) 2399,747 2411,735 v1@2411,660 ; v1@4239,215 v1(4239,216) R19.2@4239,250
  Bottom Layer w10: v1(2122.47,1045) 2168,1045 2251,962 2288,962 2347,903 2400,903 2441,862 2441,799.25 2399,757.25 v1(2399,754) ; v1@2411,660 v1(2411,659) 2411,658.75 2444.75,625 2491.52,625 2519.52,597 3059.96,597 3384.96,272 3533,272 3606.43,198.57 4221.57,198.57 v1(4239,216)
R: C24.1 C25.1 P3.1 TP21.1 TVS1.2 U5.2 | length 919.6
  Top Layer w20: C25.1@3280,1581.51 C24.1@3337,1581.51 3439.51,1581.51 TVS1.2@3452,1594 ; TVS1.2@3485,1574 3529,1574 3659,1704 3954.26,1704 P3.1@3989.26,1669 ; TP21.1@3983,1833 3983,1792 v1(3988,1787)
  Bottom Layer w20: v1(3988,1787) v1@3989.26,1785.74 ; P3.1@3989.26,1669 v1@3989.26,1785.74 ; v1@3989.26,1789 v1@3989.26,1785.74
RESET: Q15.3 U1.15 | length 799.9
  Top Layer w10: Q15.3@2457,1020.76 2457,989.34 2641.34,805 3000,805 3065.96,739.04 U1.15@3121.79,739.04
RST: C43.2 R1.1 U9.14 | length 2444.2
  Top Layer w10: R1.1@588,66 627,66 v1(628,67) ; U9.14@2019.41,943 2019.41,885.47 2066.88,838 2146.02,838 C43.2@2180.51,803.51 2202.49,803.51 2216.5,789.5 v1(2216.5,696)
  Bottom Layer w10: v1(628,67) 691,130 854.08,130 922,197.92 922,353.75 1054.25,486 1935,486 1958,509 1958,638.08 1998.92,679 2199.5,679 v1(2216.5,696)
RXD1: P9.1 TP22.1 U9.22 | length 2268.6
  Top Layer w10: v1(1868.51,1318) 1992.25,1318 2020.51,1289.74 2020.51,1251.74 2111,1161.25 2111,1106.25 2165.99,1051.27 U9.22@2226.11,1051.27
  Top Layer w25: TP22.1@484,1833 594.52,1722.48 P9.1@594.52,1614
  Bottom Layer w10: P9.1@594.52,1614 594.52,1568 619.52,1543 1626.51,1543 1640.51,1529 1640.51,1430.53 1708.04,1363 1807.03,1363 1852.03,1318 v1(1868.51,1318)
RXD5: U9.1 U12.17@3713.94,553.15 | length 2392.2
  Top Layer w10: U9.1@1763.51,943 1763.51,1005.92 1806.59,1049 1855,1049 1934,1128 v1(1986,1128) ; v1(2409,986) 2409,937 2424,922 2500.3,922 2634.3,788 2985,788 3090,683 3127,683 3176,634 v1(3197,634) ; v1(3326.16,623.39) 3359.39,623.39 3373.05,637.05 3683.94,637.05 3713.94,607.06 U12.17@3713.94,553.15
  Bottom Layer w10: v1(1986,1128) 1993,1135 2245,1135 2342,1038 2377.25,1038 2409,1006.25 v1(2409,986) ; v1(3197,634) 3208,623 3324.33,623 v1@3326.16,624.84
S0: LCD1.5 U9.63 | length 591.5
  Top Layer w10: LCD1.5@1613.51,1838.55 1613.51,1770.51 1546.51,1703.51 1546.51,1429.42 1609.7,1366.23 U9.63@1674.93,1366.23
S1: LCD1.6 U9.59 | length 382.9
  Top Layer w10: LCD1.6@1693.7,1840 1693.7,1802.3 1766.51,1729.49 1766.51,1565.87 1783.19,1549.19 U9.59@1783.19,1494.18
S2: LCD1.7 U9.58 | length 381.2
  Top Layer w10: LCD1.7@1769.51,1861.56 1769.51,1779 1783.51,1765 1783.51,1572.92 1802.88,1553.55 U9.58@1802.88,1494.18
S3: LCD1.8 U9.57 | length 373.7
  Top Layer w10: U9.57@1822.56,1494.18 1822.56,1557.9 1800.51,1579.96 1800.51,1751.51 1850.69,1801.69 LCD1.8@1850.69,1838
S4: LCD1.9 U9.56 | length 435.8
  Top Layer w10: U9.56@1842.25,1494.18 1842.25,1562.26 1817.51,1587 1817.51,1744.25 1857.25,1784 1916,1784 1929.43,1797.43 LCD1.9@1929.43,1839
S5: LCD1.10 U9.49 | length 378.3
  Top Layer w10: U9.49@1980.04,1494.18 1980.04,1576.53 2034.51,1631 2034.51,1763.75 2008.17,1790.08 LCD1.10@2008.17,1839
S6: LCD1.11 U9.48 | length 380.9
  Top Layer w10: U9.48@1999.73,1494.18 1999.73,1572.18 2051.51,1623.96 2051.51,1759.51 2086.91,1794.91 LCD1.11@2086.91,1839
S7: LCD1.12 U9.47 | length 405
  Top Layer w10: U9.47@2019.41,1494.18 2019.41,1567.82 2068.51,1616.92 2068.51,1718 2085.01,1734.5 ; 2085.01,1734.54 2134.47,1784 2135.51,1784 2165.65,1814.14 LCD1.12@2165.65,1838
S8: LCD1.13 U9.46 | length 475.4
  Top Layer w10: U9.46@2039.1,1494.18 2039.1,1563.47 2085.51,1609.87 2085.51,1694 2154.51,1763 2230.51,1763 2244.39,1776.88 LCD1.13@2244.39,1840
S9: LCD1.14 U9.45 | length 542.7
  Top Layer w10: U9.45@2058.78,1494.18 2058.78,1559.11 2102.51,1602.83 2102.51,1686.96 2161.55,1746 2309,1746 2323.13,1760.13 LCD1.14@2323.13,1841
S10: LCD1.15 U9.44 | length 583.9
  Top Layer w10: U9.44@2078.47,1494.18 2078.47,1554.75 2119.51,1595.79 2119.51,1679.92 2168.59,1729 2346,1729 2402.36,1785.36 LCD1.15@2402.36,1840
S11: LCD1.16 U9.43 | length 638.6
  Top Layer w10: U9.43@2098.15,1494.18 2098.15,1550.4 2136.51,1588.75 2136.51,1672.87 2175.63,1712 2353.04,1712 2415.04,1774 2466.57,1774 2481.1,1788.53 LCD1.16@2481.1,1840
S12: LCD1.17 U9.42 | length 695.1
  Top Layer w10: U9.42@2117.84,1494.18 2117.84,1546.04 2153.51,1581.71 2153.51,1665.83 2182.67,1695 2360.08,1695 2422.08,1757 2475,1757 2494,1776 2547.31,1776 2559.84,1788.53 LCD1.17@2559.84,1840
S13: LCD1.18 U9.41 | length 748.9
  Top Layer w10: U9.41@2137.52,1494.18 2137.52,1541.68 2170.51,1574.67 2170.51,1658.79 2189.72,1678 2367.12,1678 2429.12,1740 2486,1740 2504,1758 2554,1758 2575,1779 2624.58,1779 2638.58,1793 LCD1.18@2638.58,1840
S14: LCD1.19 U9.40 | length 787.5
  Top Layer w10: U9.40@2226.11,1405.6 2280.6,1405.6 2353,1478 2353,1639.83 2436.17,1723 2495,1723 2511.04,1739.04 2559.08,1739.04 2582.04,1762 2631.62,1762 2649.62,1780 2706,1780 2717.32,1791.32 LCD1.19@2717.32,1833
S15: LCD1.20 U9.39 | length 880.3
  Top Layer w10: U9.39@2226.11,1385.91 2284.95,1385.91 2370,1470.96 2370,1632.79 2443.21,1706 2502.04,1706 2518.08,1722.04 2566.12,1722.04 2589.08,1745 2638.66,1745 2656.66,1763 2713.04,1763 2729.04,1779 2782,1779 2796.06,1793.06 LCD1.20@2796.06,1840
S16: LCD1.21 U9.38 | length 967.3
  Top Layer w10: U9.38@2226.11,1366.23 2289.31,1366.23 2387,1463.92 2387,1625.75 2450.25,1689 2512.96,1689 2529,1705.04 2573.17,1705.04 2596.12,1728 2645.71,1728 2663.71,1746 2720.08,1746 2736.08,1762 2789.04,1762 2806.04,1779 2860.8,1779 2874.8,1793 LCD1.21@2874.8,1840
S17: LCD1.22 U9.30 | length 1458.6
  Top Layer w10: v1(2148.51,1361) 2148.51,1231.91 2171.67,1208.75 U9.30@2226.11,1208.75
  Bottom Layer w10: v1@2150.51,1368 2150.51,1735.63 2197.87,1783 2945,1783 2953.54,1791.54 LCD1.22@2953.54,1840
S18: LCD1.23 U9.29 | length 1611
  Top Layer w10: v1(2116.51,1330) 2116.51,1239.87 2167.32,1189.06 U9.29@2226.11,1189.06
  Bottom Layer w10: v1(2116.51,1330) 2117.51,1329 2165.76,1329 2180.51,1343.74 2180.51,1741.59 2204.92,1766 2957,1766 2970,1779 3021.28,1779 3032.28,1790 LCD1.23@3032.28,1840
S19: LCD1.24 U9.28 | length 1745.6
  Top Layer w10: v1(2084.51,1298) 2084.51,1247.83 2162.96,1169.38 U9.28@2226.11,1169.38
  Bottom Layer w10: v1(2084.51,1298) 2167.47,1298 2197.51,1328.04 2197.51,1734.55 2211.96,1749 2968,1749 2981,1762 3034,1762 3051.49,1779.49 3105.49,1779.49 3111.02,1785.02 LCD1.24@3111.02,1840
S20: LCD1.25 U9.27 | length 1873.9
  Top Layer w10: v1(2052.51,1265) 2052.51,1245.49 2148.31,1149.69 U9.27@2226.11,1149.69
  Bottom Layer w10: v1(2052.51,1265) 2158.51,1265 2214.51,1321 2214.51,1727.51 2219,1732 2975.04,1732 2987.52,1744.48 3040.52,1744.48 3057.52,1761.48 3111.52,1761.48 3130.04,1780 3176.76,1780 3189.76,1793 LCD1.25@3189.76,1840
SET: Q8.3 U9.4 | length 2244
  Top Layer w10: Q8.3@459,319.24 488.76,319.24 v1(500,308) ; v1(1518,1004) 1538,1004 1565,977 1565,877 1581,861 1802.55,861 1822.56,881.01 U9.4@1822.56,943
  Bottom Layer w10: v1(500,308) 517,308 585,240 764,240 774,250 774,784.34 864.66,875 1061,875 1077,891 1077,942.25 1109.75,975 1489,975 v1(1518,1004)
SIM_CLK: C20.1 R5.1 SIM1.6 | length 333.8
  Top Layer w10: SIM1.6@2565,1150.57 2622.42,1150.57 2713.11,1059.89 2713.11,967.49 R5.1@2768.86,967.49
SIM_DATA: C21.1 R4.2 SIM1.2 SIM1.3 | length 228.6
  Top Layer w10: SIM1.2@2801.22,1100.57 2834.57,1100.57 2840,1106 2840,1150.57 ; SIM1.3@2801.22,1150.57 2840,1150.57 ; R4.2@2882,1101 2882.51,1101.51 2882.51,1159 2874.08,1150.57 2840,1150.57
SIM_RST: C19.1 R6.1 SIM1.7 | length 257.9
  Top Layer w10: SIM1.7@2565,1100.57 2618.42,1100.57 2654,1065 C19.1@2654,967.49 ; C19.1@2656,967.49 C19.1@2656,968.41
  Top Layer w15: R6.1@2599.33,967.49 2654,967.49 C19.1@2655.08,967.49
SLEEP: C22.2 U5.7 U5.8 U9.37 | length 1178.1
  Top Layer w10: U9.37@2226.11,1346.54 2293.67,1346.54 2404,1456.88 2404,1573 2418,1587 2492,1587 2524,1619 3027,1619 3051.49,1594.51 C22.2@3088,1594.51 C22.2@3090.5,1592.01 ; C22.2@3088,1589.51 3091.03,1586.48 C22.2@3096.03,1586.48 ; U5.8@3142.6,1586.48 C22.2@3096.03,1586.48 ; U5.7@3142.6,1606.16 3104.66,1606.16 C22.2@3090.5,1592.01 ; C22.2@3090.5,1592.01 C22.2@3096.03,1586.48
SWCLK: R21.1 U9.61 | length 2335.7
  Top Layer w10: R21.1@588,119 626,119 v1(628,121) ; U9.61@1674.93,1405.6 1744.91,1405.6 1752.51,1398 1752.51,1266 1797.51,1221 v1(1828.51,1190)
  Bottom Layer w10: v1(628,121) 654,147 847.04,147 905,204.96 905,360.8 1047.2,503 1439.08,503 1489,552.92 1489,800.96 1539.04,851 1617.34,851 1849.51,1083.17 1849.51,1173.22 1832.73,1190 v1(1828.51,1190)
SWIO: R8.2 U9.60 | length 2316.3
  Top Layer w10: R8.2@589,173 627,173 v1(628,174) ; U9.60@1763.51,1494.18 1763.51,1421 1769.51,1415 1769.51,1298.48 1860.51,1207.48 1860.51,1175 1818.51,1133 v1(1817.51,1133)
  Bottom Layer w10: v1(628,174) 850,174 888,212 888,367.84 1040.16,520 1432.04,520 1472,559.96 1472,808 1532,868 1610.3,868 1817.51,1075.21 v1(1817.51,1133)
TXD5: R28.2 U9.2 U12.18@3663.94,553.15 | length 2327.2
  Top Layer w10: U9.2@1783.19,943 1783.19,1001.56 1813.63,1032 1862.04,1032 1923.04,1093 v1(2017,1093) ; v1(2365.39,1004.61) 2365.39,956.57 2416.96,905 2493.25,905 2627,771.25 2627,771 2977,771 3084.07,663.93 3118.07,663.93 3191,591 R28.2@3232,591 3255,568 v1(3267,568) ; v1(3360,591) 3360,595 3383,618 3657,618 3663.94,610.06 U12.18@3663.94,553.15
  Bottom Layer w10: v1(2017,1093) 2042,1118 2230.79,1118 2344.17,1004.61 v1(2365.39,1004.61) ; v1(3267,568) 3333,568 3356,591 v1(3360,591)
USIM_CLK: R5.2 U1.12 | length 365.3
  Top Layer w15: R5.2@2770,901.63 2917.36,901.63 2950.04,868.96 U1.12@3121.79,868.96
USIM_DATA: R4.1 U1.10 | length 299.8
  Top Layer w15: R4.1@2949,1101 2998,1101 3010.01,1088.99 3010.01,1028.22 3010,975 3029.42,955.57 U1.10@3121.79,955.57